# Altium PCB SVEC.pcbdoc (part 1 of 18) (continued)
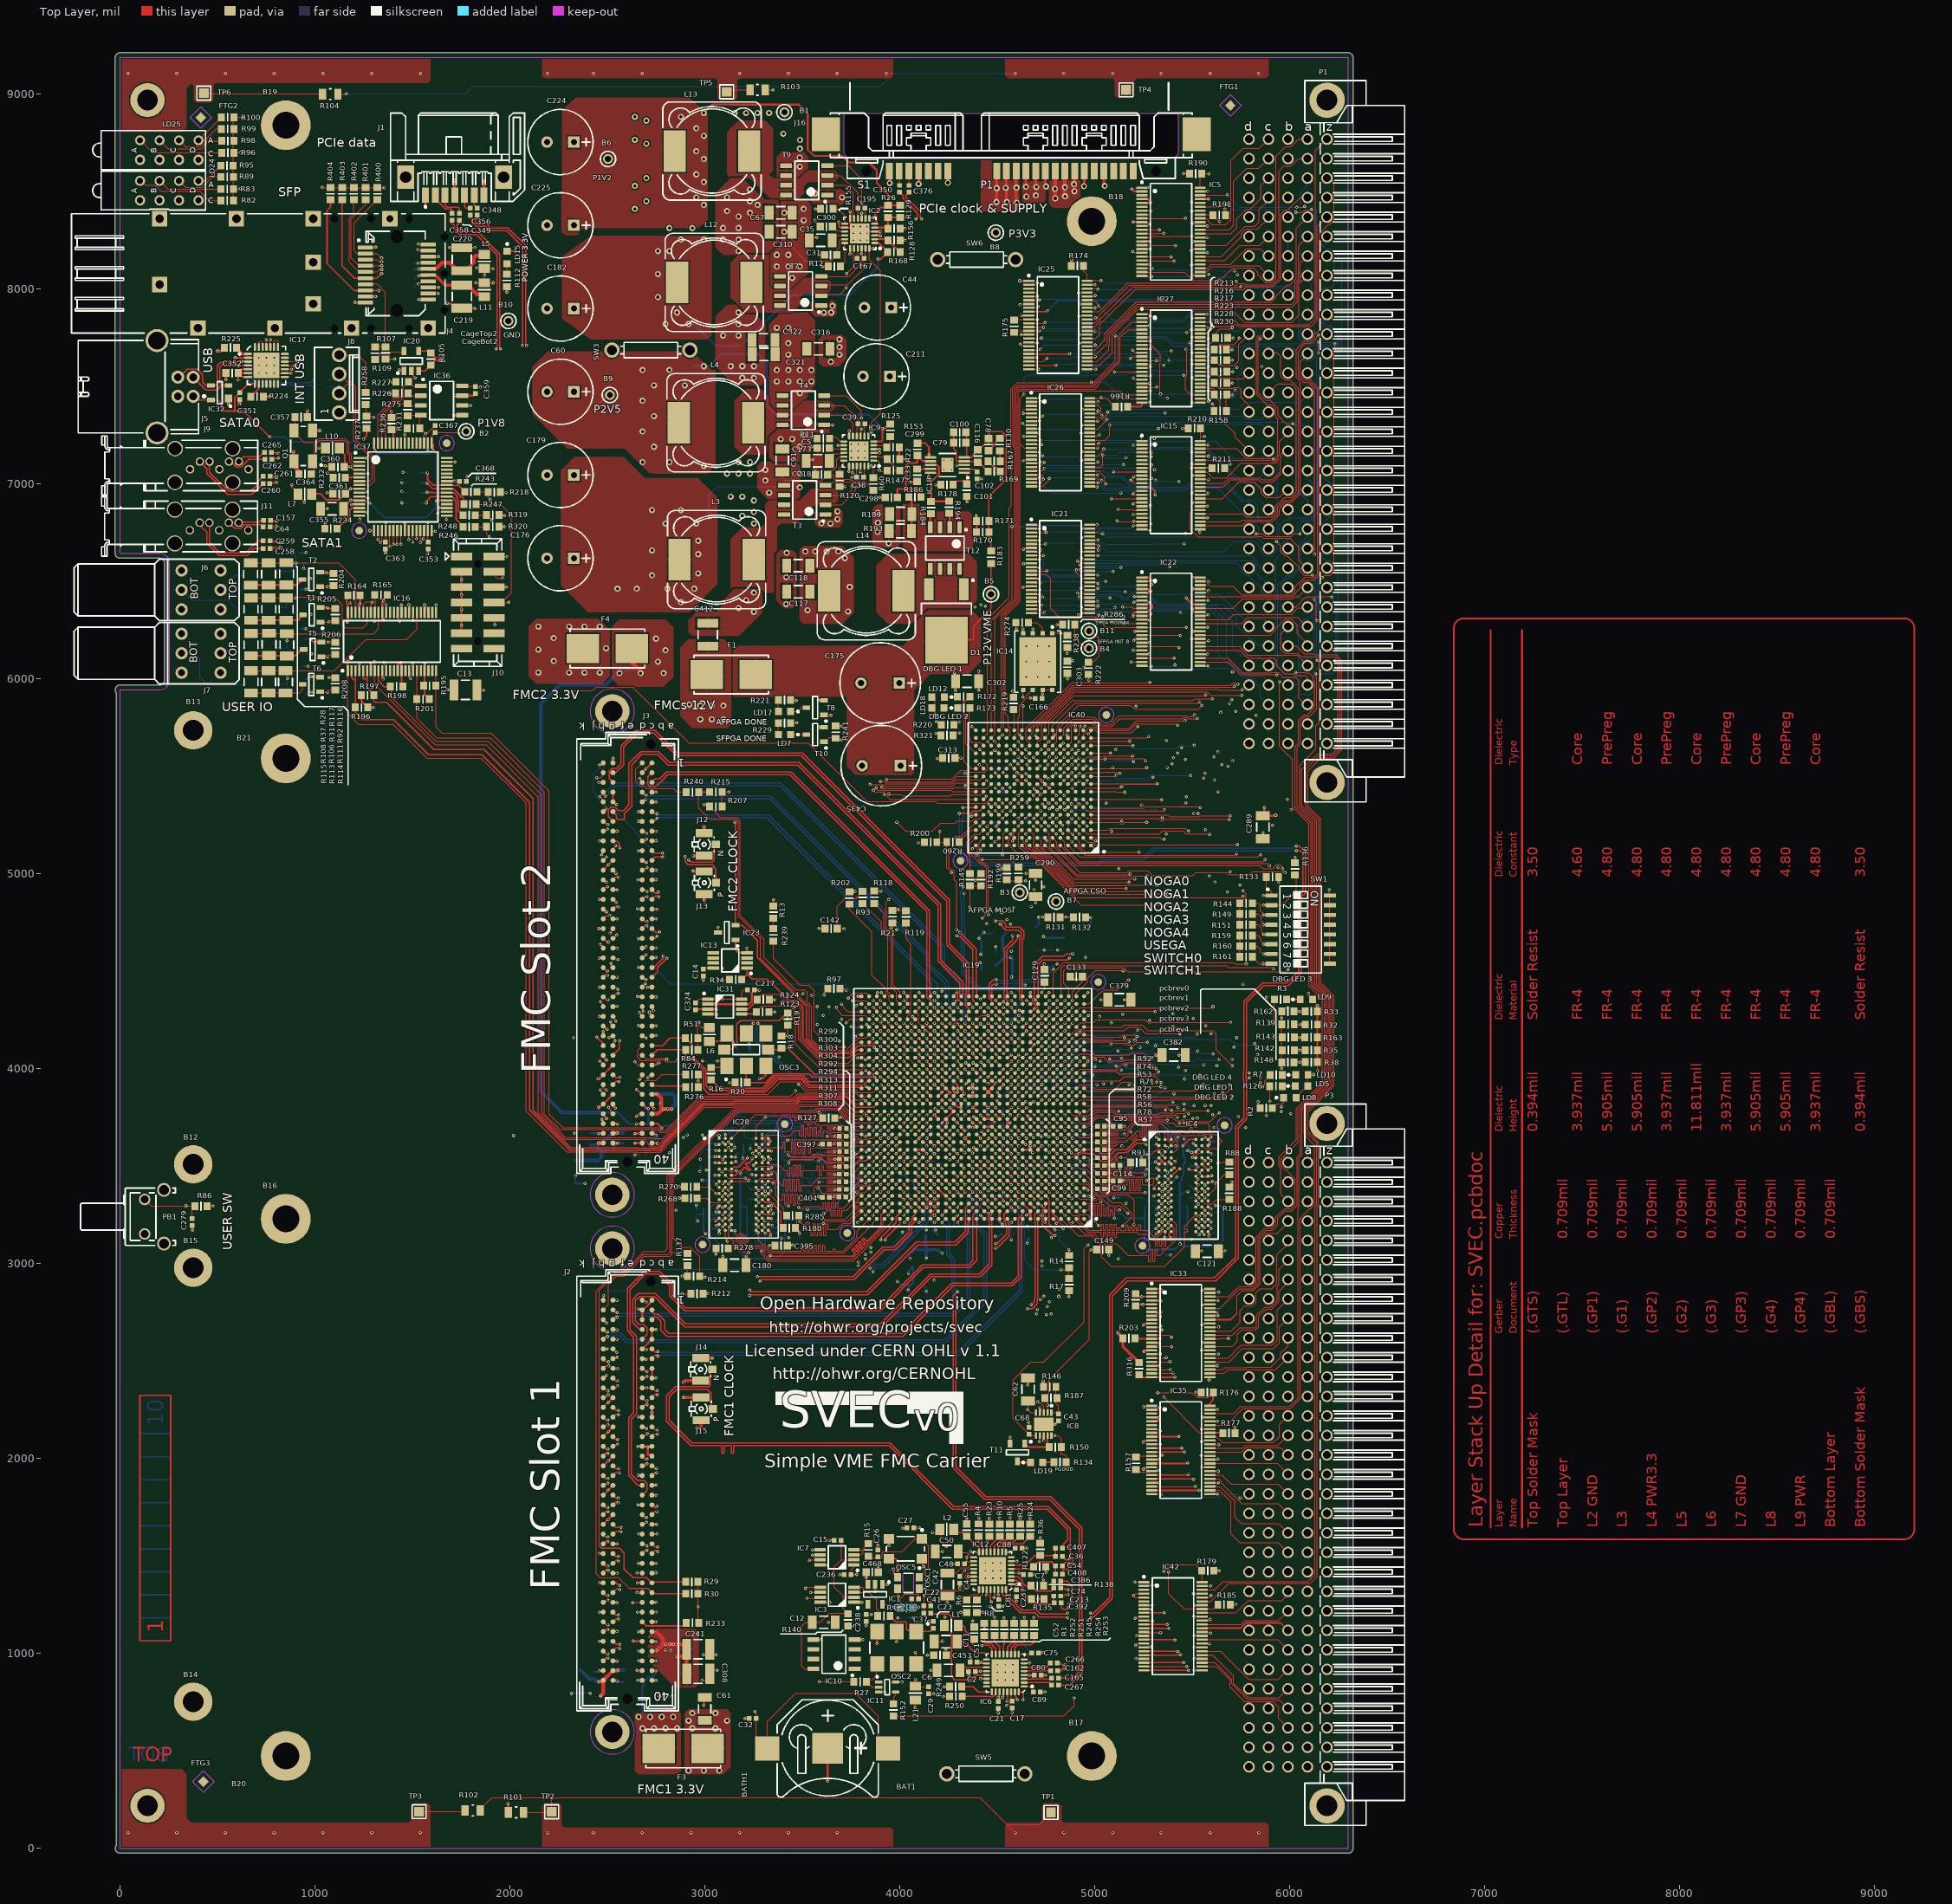
[diagram p0: Top Layer view]
## Classes and differential pairs (continued)
net class FMC1_LA_N[33..0]: FMC1_LA_N0 FMC1_LA_N1 FMC1_LA_N2 FMC1_LA_N3 FMC1_LA_N4 FMC1_LA_N5 FMC1_LA_N6 FMC1_LA_N7 FMC1_LA_N8 FMC1_LA_N9 FMC1_LA_N10 FMC1_LA_N11 FMC1_LA_N12 FMC1_LA_N13 FMC1_LA_N14 FMC1_LA_N15 FMC1_LA_N16 FMC1_LA_N17 FMC1_LA_N18 FMC1_LA_N19 FMC1_LA_N20 FMC1_LA_N21 FMC1_LA_N22 FMC1_LA_N23 FMC1_LA_N24 FMC1_LA_N25 FMC1_LA_N26 FMC1_LA_N27 FMC1_LA_N28 FMC1_LA_N29 FMC1_LA_N30 FMC1_LA_N31 FMC1_LA_N32 FMC1_LA_N33
net class FMC1_LA_P[33..0]: FMC1_LA_P0 FMC1_LA_P1 FMC1_LA_P2 FMC1_LA_P3 FMC1_LA_P4 FMC1_LA_P5 FMC1_LA_P6 FMC1_LA_P7 FMC1_LA_P8 FMC1_LA_P9 FMC1_LA_P10 FMC1_LA_P11 FMC1_LA_P12 FMC1_LA_P13 FMC1_LA_P14 FMC1_LA_P15 FMC1_LA_P16 FMC1_LA_P17 FMC1_LA_P18 FMC1_LA_P19 FMC1_LA_P20 FMC1_LA_P21 FMC1_LA_P22 FMC1_LA_P23 FMC1_LA_P24 FMC1_LA_P25 FMC1_LA_P26 FMC1_LA_P27 FMC1_LA_P28 FMC1_LA_P29 FMC1_LA_P30 FMC1_LA_P31 FMC1_LA_P32 FMC1_LA_P33
net class FMC2_LA_N[33..0]: FMC2_LA_N0 FMC2_LA_N1 FMC2_LA_N2 FMC2_LA_N3 FMC2_LA_N4 FMC2_LA_N5 FMC2_LA_N6 FMC2_LA_N7 FMC2_LA_N8 FMC2_LA_N9 FMC2_LA_N10 FMC2_LA_N11 FMC2_LA_N12 FMC2_LA_N13 FMC2_LA_N14 FMC2_LA_N15 FMC2_LA_N16 FMC2_LA_N17 FMC2_LA_N18 FMC2_LA_N19 FMC2_LA_N20 FMC2_LA_N21 FMC2_LA_N22 FMC2_LA_N23 FMC2_LA_N24 FMC2_LA_N25 FMC2_LA_N26 FMC2_LA_N27 FMC2_LA_N28 FMC2_LA_N29 FMC2_LA_N30 FMC2_LA_N31 FMC2_LA_N32 FMC2_LA_N33
net class FMC2_LA_P[33..0]: FMC2_LA_P0 FMC2_LA_P1 FMC2_LA_P2 FMC2_LA_P3 FMC2_LA_P4 FMC2_LA_P5 FMC2_LA_P6 FMC2_LA_P7 FMC2_LA_P8 FMC2_LA_P9 FMC2_LA_P10 FMC2_LA_P11 FMC2_LA_P12 FMC2_LA_P13 FMC2_LA_P14 FMC2_LA_P15 FMC2_LA_P16 FMC2_LA_P17 FMC2_LA_P18 FMC2_LA_P19 FMC2_LA_P20 FMC2_LA_P21 FMC2_LA_P22 FMC2_LA_P23 FMC2_LA_P24 FMC2_LA_P25 FMC2_LA_P26 FMC2_LA_P27 FMC2_LA_P28 FMC2_LA_P29 FMC2_LA_P30 FMC2_LA_P31 FMC2_LA_P32 FMC2_LA_P33
net class DDR_2_A[14..0]: DDR_2_A0 DDR_2_A1 DDR_2_A2 DDR_2_A3 DDR_2_A4 DDR_2_A5 DDR_2_A6 DDR_2_A7 DDR_2_A8 DDR_2_A9 DDR_2_A10 DDR_2_A11 DDR_2_A12 DDR_2_A13 DDR_2_A14
net class DDR_2_BA[2..0]: DDR_2_BA0 DDR_2_BA1 DDR_2_BA2
net class DDR_2_DQ[15..0]: DDR_2_DQ0 DDR_2_DQ1 DDR_2_DQ2 DDR_2_DQ3 DDR_2_DQ4 DDR_2_DQ5 DDR_2_DQ6 DDR_2_DQ7 DDR_2_DQ8 DDR_2_DQ9 DDR_2_DQ10 DDR_2_DQ11 DDR_2_DQ12 DDR_2_DQ13 DDR_2_DQ14 DDR_2_DQ15
net class FP_GPIO[4..1]: FP_GPIO1 FP_GPIO2 FP_GPIO3 FP_GPIO4
net class FP_LEDN[7..0]: FP_LEDN0 FP_LEDN1 FP_LEDN2 FP_LEDN3 FP_LEDN4 FP_LEDN5 FP_LEDN6 FP_LEDN7
net class RSVD[7..0]: RSVD0 RSVD1 RSVD2 RSVD3 RSVD4 RSVD5 RSVD6 RSVD7
net class USB_D[7..0]: USB_D0 USB_D1 USB_D2 USB_D3 USB_D4 USB_D5 USB_D6 USB_D7
net class TERM_EN[4..1]: TERM_EN1 TERM_EN2 TERM_EN3 TERM_EN4
net class DDR_D2: DDR_2_A0 DDR_2_A1 DDR_2_A2 DDR_2_A3 DDR_2_A4 DDR_2_A5 DDR_2_A6 DDR_2_A7 DDR_2_A8 DDR_2_A9 DDR_2_A10 DDR_2_A11 DDR_2_A12 DDR_2_A13 DDR_2_A14 DDR_2_BA0 DDR_2_BA1 DDR_2_BA2 DDR_2_CAS_N DDR_2_CK_N DDR_2_CK_P DDR_2_DQ0 DDR_2_DQ1 DDR_2_DQ2 DDR_2_DQ3 DDR_2_DQ4 DDR_2_DQ5 DDR_2_DQ6 DDR_2_DQ7 DDR_2_DQ8 DDR_2_DQ9 DDR_2_DQ10 DDR_2_DQ11 DDR_2_DQ12 DDR_2_DQ13 DDR_2_DQ14 DDR_2_DQ15 DDR_2_LDM DDR_2_LDQS_N DDR_2_LDQS_P DDR_2_RAS_N DDR_2_UDM DDR_2_UDQS_N DDR_2_UDQS_P DDR_2_WE_N
net class DDR_D: DDR_A0 DDR_A1 DDR_A2 DDR_A3 DDR_A4 DDR_A5 DDR_A6 DDR_A7 DDR_A8 DDR_A9 DDR_A10 DDR_A11 DDR_A12 DDR_A13 DDR_A14 DDR_BA0 DDR_BA1 DDR_BA2 DDR_CAS_N DDR_CK_N DDR_CK_P DDR_DQ0 DDR_DQ1 DDR_DQ2 DDR_DQ3 DDR_DQ4 DDR_DQ5 DDR_DQ6 DDR_DQ7 DDR_DQ8 DDR_DQ9 DDR_DQ10 DDR_DQ11 DDR_DQ12 DDR_DQ13 DDR_DQ14 DDR_DQ15 DDR_LDM DDR_LDQS_N DDR_LDQS_P DDR_RAS_N DDR_UDM DDR_UDQS_N DDR_UDQS_P DDR_WE_N
differential pair PCIE_TX1: +PCIE_TX1_P -PCIE_TX1_N
differential pair PCIE_RX1: +PCIE_RX1_P -PCIE_RX1_N
differential pair PCIE_MASTER_CLK: +PCIE_MASTER_CLK_P -PCIE_MASTER_CLK_N
differential pair GTP_CK1: +GTP_CK1_P -GTP_CK1_N
differential pair GTP_CK0: +GTP_CK0_P -GTP_CK0_N
differential pair FPGA_PLL_REF_CLK1: +FPGA_PLL_REF_CLK1_P -FPGA_PLL_REF_CLK1_N
differential pair FPGA_PLL_REF_CLK0: +FPGA_PLL_REF_CLK0_P -FPGA_PLL_REF_CLK0_N
differential pair SI57X_CLK: +SI57X_CLK_P -SI57X_CLK_N
differential pair FMC2_GBTCLK0M2C: +FMC2_GBTCLK0M2C_P -FMC2_GBTCLK0M2C_N
differential pair FMC2_DP0M2C: +FMC2_DP0M2C_P -FMC2_DP0M2C_N
differential pair FMC2_DP0C2M: +FMC2_DP0C2M_P -FMC2_DP0C2M_N
differential pair FMC2_CLK1M2C: +FMC2_CLK1M2C_P -FMC2_CLK1M2C_N
differential pair FMC2_CLK0M2C: +FMC2_CLK0M2C_P -FMC2_CLK0M2C_N
differential pair FMC1_GBTCLK0M2C: +FMC1_GBTCLK0M2C_P -FMC1_GBTCLK0M2C_N
differential pair FMC1_DP0M2C: +FMC1_DP0M2C_P -FMC1_DP0M2C_N
differential pair FMC1_DP0C2M: +FMC1_DP0C2M_P -FMC1_DP0C2M_N
differential pair FMC1_CLK1M2C: +FMC1_CLK1M2C_P -FMC1_CLK1M2C_N
differential pair FMC1_CLK0M2C: +FMC1_CLK0M2C_P -FMC1_CLK0M2C_N
differential pair P2_PLLFMC2_CLK: +P2_PLLFMC2_CLK_P -P2_PLLFMC2_CLK_N
differential pair P2_PLLFMC1_CLK: +P2_PLLFMC1_CLK_P -P2_PLLFMC1_CLK_N
differential pair FMC1_LA0: +FMC1_LA_P0 -FMC1_LA_N0
differential pair FMC1_LA1: +FMC1_LA_P1 -FMC1_LA_N1
differential pair FMC1_LA2: +FMC1_LA_P2 -FMC1_LA_N2
differential pair FMC1_LA3: +FMC1_LA_P3 -FMC1_LA_N3
differential pair FMC1_LA4: +FMC1_LA_P4 -FMC1_LA_N4
differential pair FMC1_LA5: +FMC1_LA_P5 -FMC1_LA_N5
differential pair FMC1_LA6: +FMC1_LA_P6 -FMC1_LA_N6
differential pair FMC1_LA7: +FMC1_LA_P7 -FMC1_LA_N7
differential pair FMC1_LA8: +FMC1_LA_P8 -FMC1_LA_N8
differential pair FMC1_LA9: +FMC1_LA_P9 -FMC1_LA_N9
differential pair FMC1_LA10: +FMC1_LA_P10 -FMC1_LA_N10
differential pair FMC1_LA11: +FMC1_LA_P11 -FMC1_LA_N11
differential pair FMC1_LA12: +FMC1_LA_P12 -FMC1_LA_N12
differential pair FMC1_LA13: +FMC1_LA_P13 -FMC1_LA_N13
differential pair FMC1_LA14: +FMC1_LA_P14 -FMC1_LA_N14
differential pair FMC1_LA15: +FMC1_LA_P15 -FMC1_LA_N15
differential pair FMC1_LA16: +FMC1_LA_P16 -FMC1_LA_N16
differential pair FMC1_LA17: +FMC1_LA_P17 -FMC1_LA_N17
differential pair FMC1_LA18: +FMC1_LA_P18 -FMC1_LA_N18
differential pair FMC1_LA19: +FMC1_LA_P19 -FMC1_LA_N19
differential pair FMC1_LA20: +FMC1_LA_P20 -FMC1_LA_N20
differential pair FMC1_LA21: +FMC1_LA_P21 -FMC1_LA_N21
differential pair FMC1_LA22: +FMC1_LA_P22 -FMC1_LA_N22
differential pair FMC1_LA23: +FMC1_LA_P23 -FMC1_LA_N23
differential pair FMC1_LA24: +FMC1_LA_P24 -FMC1_LA_N24
differential pair FMC1_LA25: +FMC1_LA_P25 -FMC1_LA_N25
differential pair FMC1_LA26: +FMC1_LA_P26 -FMC1_LA_N26
differential pair FMC1_LA27: +FMC1_LA_P27 -FMC1_LA_N27
differential pair FMC1_LA28: +FMC1_LA_P28 -FMC1_LA_N28
differential pair FMC1_LA29: +FMC1_LA_P29 -FMC1_LA_N29
differential pair FMC1_LA30: +FMC1_LA_P30 -FMC1_LA_N30
differential pair FMC1_LA31: +FMC1_LA_P31 -FMC1_LA_N31
differential pair FMC1_LA32: +FMC1_LA_P32 -FMC1_LA_N32
differential pair FMC1_LA33: +FMC1_LA_P33 -FMC1_LA_N33
differential pair FMC2_LA0: +FMC2_LA_P0 -FMC2_LA_N0
differential pair FMC2_LA1: +FMC2_LA_P1 -FMC2_LA_N1
differential pair FMC2_LA2: +FMC2_LA_P2 -FMC2_LA_N2
differential pair FMC2_LA3: +FMC2_LA_P3 -FMC2_LA_N3
differential pair FMC2_LA4: +FMC2_LA_P4 -FMC2_LA_N4
differential pair FMC2_LA5: +FMC2_LA_P5 -FMC2_LA_N5
differential pair FMC2_LA6: +FMC2_LA_P6 -FMC2_LA_N6
differential pair FMC2_LA7: +FMC2_LA_P7 -FMC2_LA_N7
differential pair FMC2_LA8: +FMC2_LA_P8 -FMC2_LA_N8
differential pair FMC2_LA9: +FMC2_LA_P9 -FMC2_LA_N9
differential pair FMC2_LA10: +FMC2_LA_P10 -FMC2_LA_N10
differential pair FMC2_LA11: +FMC2_LA_P11 -FMC2_LA_N11
differential pair FMC2_LA12: +FMC2_LA_P12 -FMC2_LA_N12
differential pair FMC2_LA13: +FMC2_LA_P13 -FMC2_LA_N13
differential pair FMC2_LA14: +FMC2_LA_P14 -FMC2_LA_N14
differential pair FMC2_LA15: +FMC2_LA_P15 -FMC2_LA_N15
differential pair FMC2_LA16: +FMC2_LA_P16 -FMC2_LA_N16
differential pair FMC2_LA17: +FMC2_LA_P17 -FMC2_LA_N17
differential pair FMC2_LA18: +FMC2_LA_P18 -FMC2_LA_N18
differential pair FMC2_LA19: +FMC2_LA_P19 -FMC2_LA_N19
differential pair FMC2_LA20: +FMC2_LA_P20 -FMC2_LA_N20
differential pair FMC2_LA21: +FMC2_LA_P21 -FMC2_LA_N21
differential pair FMC2_LA22: +FMC2_LA_P22 -FMC2_LA_N22
differential pair FMC2_LA23: +FMC2_LA_P23 -FMC2_LA_N23
differential pair FMC2_LA24: +FMC2_LA_P24 -FMC2_LA_N24
differential pair FMC2_LA25: +FMC2_LA_P25 -FMC2_LA_N25
differential pair FMC2_LA26: +FMC2_LA_P26 -FMC2_LA_N26
differential pair FMC2_LA27: +FMC2_LA_P27 -FMC2_LA_N27
differential pair FMC2_LA28: +FMC2_LA_P28 -FMC2_LA_N28
differential pair FMC2_LA29: +FMC2_LA_P29 -FMC2_LA_N29
differential pair P2_DATA0: +P2_DATA_P0 -P2_DATA_N0
differential pair P2_DATA1: +P2_DATA_P1 -P2_DATA_N1
differential pair P2_DATA2: +P2_DATA_P2 -P2_DATA_N2
differential pair P2_DATA3: +P2_DATA_P3 -P2_DATA_N3
differential pair P2_DATA4: +P2_DATA_P4 -P2_DATA_N4
differential pair P2_DATA5: +P2_DATA_P5 -P2_DATA_N5
differential pair P2_DATA6: +P2_DATA_P6 -P2_DATA_N6
differential pair P2_DATA7: +P2_DATA_P7 -P2_DATA_N7
differential pair P2_DATA8: +P2_DATA_P8 -P2_DATA_N8
differential pair P2_DATA9: +P2_DATA_P9 -P2_DATA_N9
differential pair P2_DATA10: +P2_DATA_P10 -P2_DATA_N10
differential pair P2_DATA11: +P2_DATA_P11 -P2_DATA_N11
differential pair P2_DATA12: +P2_DATA_P12 -P2_DATA_N12
differential pair P2_DATA13: +P2_DATA_P13 -P2_DATA_N13
differential pair P2_DATA14: +P2_DATA_P14 -P2_DATA_N14
differential pair P2_DATA15: +P2_DATA_P15 -P2_DATA_N15
differential pair P2_DATA16: +P2_DATA_P16 -P2_DATA_N16
differential pair P2_DATA17: +P2_DATA_P17 -P2_DATA_N17
differential pair P2_DATA18: +P2_DATA_P18 -P2_DATA_N18
differential pair P2_DATA19: +P2_DATA_P19 -P2_DATA_N19
differential pair C_SATA0_RX: +C_SATA0_RX_P -C_SATA0_RX_N
differential pair C_SATA0_TX: +C_SATA0_TX_P -C_SATA0_TX_N
differential pair C_SATA1_RX: +C_SATA1_RX_P -C_SATA1_RX_N
differential pair C_SATA1_TX: +C_SATA1_TX_P -C_SATA1_TX_N
differential pair DDR_2_CK: +DDR_2_CK_P -DDR_2_CK_N
differential pair DDR_2_LDQS: +DDR_2_LDQS_P -DDR_2_LDQS_N
differential pair DDR_2_UDQS: +DDR_2_UDQS_P -DDR_2_UDQS_N
differential pair DDR_CK: +DDR_CK_P -DDR_CK_N
differential pair DDR_LDQS: +DDR_LDQS_P -DDR_LDQS_N
differential pair DDR_UDQS: +DDR_UDQS_P -DDR_UDQS_N
differential pair FPGA_CLK: +FPGA_CLK_P -FPGA_CLK_N
differential pair PLL_2AFPGA: +PLL_2AFPGA_P -PLL_2AFPGA_N
differential pair PLL_2SFPGA: +PLL_2SFPGA_P -PLL_2SFPGA_N
differential pair PLL_FMC1_2P2: +PLL_FMC1_2P2_P -PLL_FMC1_2P2_N
differential pair PLL_FMC2_2P2: +PLL_FMC2_2P2_P -PLL_FMC2_2P2_N
differential pair SATA0_RX: +SATA0_RX_P -SATA0_RX_N
differential pair SATA0_TX: +SATA0_TX_P -SATA0_TX_N
differential pair SATA1_RX: +SATA1_RX_P -SATA1_RX_N
differential pair SATA1_TX: +SATA1_TX_P -SATA1_TX_N
differential pair SFP_CLK: +SFP_CLK_P -SFP_CLK_N
differential pair SFPRX_123: +SFPRX_123_P -SFPRX_123_N
differential pair SFPTX_123: +SFPTX_123_P -SFPTX_123_N
differential pair USB_D: +USB_D_P -USB_D_N
differential pair FMC2_LA30: +FMC2_LA_P30 -FMC2_LA_N30
differential pair FMC2_LA31: +FMC2_LA_P31 -FMC2_LA_N31
differential pair FMC2_LA32: +FMC2_LA_P32 -FMC2_LA_N32
differential pair FMC2_LA33: +FMC2_LA_P33 -FMC2_LA_N33
differential pair FMC1_E_CLK: +FMC1_E_CLK_P -FMC1_E_CLK_N
differential pair FMC2_E_CLK: +FMC2_E_CLK_P -FMC2_E_CLK_N

## Components (designator, comment, footprint, x,y, rotation, side; value= is the part's Value field where it differs from the comment)
B1 "Plated Hole" c130h80 3407.69,8906.64 r180 top
B2 "Plated Hole" c130h80 1775.55,7269.51 r0 top
B3 "Plated Hole" c130h80 4614.55,4903.51 r0 top
B4 "Plated Hole" c130h80 4969.55,6156.51 r270 top
B5 "Plated Hole" c130h80 4466.55,6433.51 r0 top
B6 "Plated Hole" c130h80 2502.36,8666.73 r180 top
B7 "Plated Hole" c130h80 4800.55,4857.51 r0 top
B8 "Plated Hole" c130h80 4491.66,8288.7 r0 top
B9 "Plated Hole" c130h80 2512.21,7456.1 r180 top
B10 "Plated Hole" c130h80 1991.66,7835.94 r270 top
B11 "Plated Hole" c130h80 4970.55,6245.51 r270 top
B12 "Plated Hole" MTG270_500 375.2,3509.05 r0 top locked
B13 "Plated Hole" MTG270_500 375.2,5735.43 r0 top locked
B14 "Plated Hole" MTG270_500 375.2,752.75 r0 top locked
B15 "Plated Hole" MTG270_500 375.2,2979.13 r0 top locked
B16 "Plated Hole" MTG350_650 849.93,3229.64 r0 top
B17 "Plated Hole" MTG350_650 4983.79,473.73 r0 top
B18 "Plated Hole" MTG350_650 4983.79,8347.75 r0 top
B19 "Plated Hole" MTG350_650 849.93,8839.88 r0 top
B20 "Plated Hole" MTG350_650 849.93,473.73 r0 top
B21 "Plated Hole" MTG350_650 849.93,5591.84 r0 top
BAT1 "3V" BAT_VARTA_CR1220 3630.69,514.51 r0 top
BATH1 "Value" BATH_KEYSTONE_3000 3629.69,512.64 r180 top
C1 "100nF" CAPC1005X55N 4168.69,3651.64 r270 bottom
C2 "100nF" CAPC1005X55N 4369.55,907.51 r0 top
C3 "100nF" CAPC1005X55N 3940,1400 r270 bottom
C4 "100nF" CAPC1005X55N 4307.55,1378.51 r90 top
C5 "1uF" CAPC1608X87N 3606.55,7183.51 r0 top
C6 "22uF" CAPC3216X180N 4248.55,913.51 r0 top
C7 "100nF" CAPC1005X55N 4651.55,1404.51 r180 top
C8 "100nF" CAPC1005X55N 4175.55,3820.51 r180 bottom
C9 "100nF" CAPC1005X55N 4638.69,4279.64 r270 bottom
C10 "100nF" CAPC1005X55N 4442,1259 r90 bottom
C11 "22uF" CAPC3216X180N 4234.69,1060.64 r0 top
C12 "22uF" CAPC3216X180N 3609.55,1160 r180 top
C13 "10uF" CAPC3225X270N 1771.55,5943.51 r180 top
C14 "100nF" CAPC1005X55N 2990.55,4492.51 r90 top
C15 "100nF" CAPC1005X55N 3680,1581 r0 top
C16 "1uF" CAPC1608X87N 3197.55,4097.51 r180 bottom
C17 "100nF" CAPC1005X55N 4574.55,737.51 r90 top
C18 "100nF" CAPC1005X55N 4291.69,3188.64 r0 bottom
C19 "100nF" CAPC1005X55N 4028.55,1183 r180 bottom
C20 "100nF" CAPC1005X55N 3986.69,3452.64 r180 bottom
C21 "100nF" CAPC1005X55N 4503.55,735.51 r90 top
C22 "100nF" CAPC1005X55N 4077.55,1279.51 r0 top
C23 "100nF" CAPC1005X55N 4171.55,1146 r270 top
C24 "100nF" CAPC1005X55N 4180.69,3701.64 r0 bottom
C25 "100nF" CAPC1005X55N 4253.69,3900.64 r180 bottom
C26 "100nF" CAPC1005X55N 3886,1513 r270 top
C27 "100nF" CAPC1005X55N 4054,1644 r0 top
C28 "100nF" CAPC1005X55N 4866.69,3227.64 r90 bottom
C29 "100nF" CAPC1005X55N 4146.55,811 r90 top
C30 "100nF" CAPC1005X55N 3934.69,4220.64 r180 bottom
C31 "1uF" CAPC1608X87N 3644.1,8174.61 r0 top
C32 "100nF" CAPC1005X55N 3243.63,666.65 r0 top
C33 "1uF" CAPC1608X87N 4088.55,7044.51 r90 top
C34 "100nF" CAPC1005X55N 3192.55,4159.51 r180 bottom
C35 "22uF" CAPC3216X180N 3593.55,8249.51 r0 top
C36 "100nF" CAPC1005X55N 4814.55,1498.51 r180 top
C37 "100nF" CAPC1005X55N 4141,1207 r0 top
C38 "100nF" CAPC1005X55N 3796.55,7034.51 r180 top
C39 "100nF" CAPC1005X55N 3801.58,7308.47 r180 top
C40 "100nF" CAPC1005X55N 3025.55,4039.51 r0 bottom
C41 "100nF" CAPC1005X55N 4140.55,1244 r0 top
C42 "22uF" CAPC3216X180N 4243.55,1353.51 r90 top
C43 "100nF" CAPC1005X55N 4813.55,2211.51 r90 top
C44 "150uF" CAPPR350-850X700 3886.55,7904.51 r180 top
C45 "22uF" CAPC3216X180N 2820.03,8633.84 r0 bottom
C46 "22uF" CAPC3216X180N 3109.89,8621.14 r180 bottom
C47 "22uF" CAPC3216X180N 3109.89,8531.14 r180 bottom
C48 "100nF" CAPC1005X55N 4313.55,1460 r0 top
C49 "22uF" CAPC3216X180N 2820.03,8724.84 r0 bottom
C50 "22uF" CAPC3216X180N 4240.55,1523 r0 top
C51 "100nF" CAPC1005X55N 4377.55,955.51 r0 top
C52 "1uF" CAPC1608X87N 4380.55,1104.51 r270 top
C53 "100nF" CAPC1005X55N 4569.55,3248.51 r270 bottom
C54 "100nF" CAPC1005X55N 4814.55,1449.51 r180 top
C55 "1uF" CAPC1608X87N 4342.55,1632.51 r270 top
C56 "22uF" CAPC3216X180N 2737.55,780.51 r180 bottom
C57 "100nF" CAPC1005X55N 4201.55,3312.51 r90 bottom
C58 "100nF" CAPC1005X55N 4469.69,3349.64 r180 bottom
C59 "100nF" CAPC1005X55N 4102.55,3249.51 r270 bottom
C60 "150uF" CAPPR350-850X700 2258.55,7472.51 r180 top locked
C61 "22uF" CAPC3216X180N 2998.55,715.51 r270 top
C62 "22uF" CAPC3216X180N 4657.55,2354.51 r270 top
C63 "22uF" CAPC3216X180N 2807.48,3587.99 r90 bottom
C64 "100nF" CAPC1005X55N 752.55,6778.51 r180 top
C65 "1uF" CAPC1608X87N 2685.55,936.51 r90 bottom
C66 "22uF" CAPC3216X180N 3031.15,8164.1 r180 bottom
C67 "22uF" CAPC3216X180N 3388.19,8391.14 r0 top
C68 "100nF" CAPC1005X55N 4661.55,2142.51 r270 top
C69 "1uF" CAPC1608X87N 2669.69,3647.05 r270 bottom
C70 "1uF" CAPC1608X87N 2689.55,1063.51 r180 bottom
C71 "22uF" CAPC3216X180N 3349.69,8727.64 r0 bottom
C72 "22uF" CAPC3216X180N 3053.84,7531.6 r180 bottom
C73 "1uF" CAPC1608X87N 2679.55,3791.51 r90 bottom
C74 "100nF" CAPC1005X55N 4807.55,1335.51 r180 top
C75 "100nF" CAPC1005X55N 4692.55,1001.51 r180 top
C76 "1uF" CAPC1608X87N 2704.55,4018.51 r180 bottom
C77 "22uF" CAPC3216X180N 3053.84,7260.6 r180 bottom
C78 "5.6nF" CAPC1608X87N 4454.55,7201.51 r270 top
C79 "27pF" CAPC1608X87N 4306.55,7211.51 r180 top
C80 "100nF" CAPC1005X55N 4706.55,889.51 r0 top
C81 "100nF" CAPC1005X55N 4507.55,1259 r90 top
C82 "22uF" CAPC3216X180N 2362.55,855.51 r90 bottom
C83 "22uF" CAPC3216X180N 2335.04,3469.88 r90 bottom
C84 "1uF" CAPC1608X87N 2413.78,3637.21 r270 bottom
C85 "1uF" CAPC1608X87N 2487.55,886.51 r270 bottom
C86 "1uF" CAPC1608X87N 2581.55,884.51 r90 bottom
C87 "1uF" CAPC1608X87N 2581.11,3647.05 r90 bottom
C88 "100nF" CAPC1005X55N 4608.55,1539.51 r0 top
C89 "100nF" CAPC1005X55N 4702.55,802.51 r180 top
C90 "22uF" CAPC3216X180N 3036.15,7872.1 r180 bottom
C91 "22uF" CAPC3216X180N 3396.55,7120.51 r270 top
C92 "100nF" CAPC1005X55N 4465.69,4351.64 r270 bottom
C93 "22uF" CAPC3216X180N 3031.15,8073.1 r180 bottom
C94 "100nF" CAPC1005X55N 4970.69,3263.64 r90 bottom
C95 "100nF" CAPC1005X55N 5110.55,3703.51 r180 top
C96 "100nF" CAPC1005X55N 5140.55,3231.51 r0 bottom
C97 "100nF" CAPC1005X55N 5419.55,3418.51 r0 bottom
C98 "100nF" CAPC1005X55N 5454.55,3123.51 r180 bottom
C99 "100nF" CAPC1005X55N 5110.55,3423.51 r180 top
C100 "27pF" CAPC1608X87N 4306.55,7264.51 r180 top
C101 "100pF" CAPC1608X87N 4342.55,6967.51 r90 top
C102 "100nF" CAPC1005X55N 4396.55,7044.51 r90 top
C103 "100nF" CAPC1005X55N 5589.55,3368.51 r270 bottom
C104 "100nF" CAPC1005X55N 5289.55,3498.51 r270 bottom
C105 "100nF" CAPC1005X55N 5287.55,3145.51 r90 bottom
C106 "100nF" CAPC1005X55N 5290.55,3584.51 r270 bottom
C107 "100nF" CAPC1005X55N 5563.55,3597.51 r270 bottom
C108 "100nF" CAPC1005X55N 5569.55,3673.51 r180 bottom
C109 "100nF" CAPC1005X55N 5337.55,3627.51 r90 bottom
C110 "1uF" CAPC1608X87N 5626.55,3594.51 r270 bottom
C111 "1uF" CAPC1608X87N 5198.55,3600.51 r0 bottom
C112 "100nF" CAPC1005X55N 5110.55,3663.51 r180 bottom
C113 "100nF" CAPC1005X55N 5635.55,3123.51 r0 bottom
C114 "100nF" CAPC1005X55N 5110.55,3503.51 r180 top
C115 "100nF" CAPC1005X55N 5435.55,3579.51 r0 bottom
C116 "100pF" CAPC1608X87N 4399.55,7142.51 r270 top
C117 "22uF" CAPC3216X180N 3478.55,6446.51 r0 top
C118 "22uF" CAPC3216X180N 3478.55,6580.51 r0 top
C119 "22uF" CAPC3216X180N 3078.52,6539.97 r180 bottom
C120 "1uF" CAPC1608X87N 4769.55,4639.51 r270 bottom
C121 "22uF" CAPC3216X180N 5574.55,3063.51 r0 top
C122 "1uF" CAPC1608X87N 4842.55,4639.51 r270 bottom
C123 "100nF" CAPC1005X55N 4372.55,3624.51 r0 bottom
C124 "100nF" CAPC1005X55N 4749.55,3261.51 r90 bottom
C125 "100nF" CAPC1005X55N 5551.55,1297.51 r180 bottom
C126 "100nF" CAPC1005X55N 4692.69,4393.64 r270 bottom
C127 "100nF" CAPC1005X55N 5547.55,1003.51 r270 bottom
C128 "22uF" CAPC3216X180N 3053.84,7441.6 r180 bottom
C129 "1uF" CAPC1608X87N 4741.55,4476.51 r270 top
C130 "1uF" CAPC1608X87N 5054.55,3953.51 r180 bottom
C131 "1uF" CAPC1608X87N 3791.55,3872.51 r270 bottom
C132 "100nF" CAPC1005X55N 5593.55,1847.51 r90 bottom
C133 "1uF" CAPC1608X87N 4904.55,4472.51 r0 top
C134 "1uF" CAPC1608X87N 4489.55,3723.51 r0 bottom
C135 "22uF" CAPC3216X180N 3078.52,6812.97 r180 bottom
C136 "22uF" CAPC3216X180N 3078.52,6448.97 r180 bottom
C137 "22uF" CAPC3216X180N 3078.52,6630.97 r180 bottom
C138 "22uF" CAPC3216X180N 3078.52,6721.97 r180 bottom
C139 "22uF" CAPC3216X180N 3053.84,7350.6 r180 bottom
C140 "1uF" CAPC1608X87N 4090.55,2891.51 r180 bottom
C141 "1uF" CAPC1608X87N 4926.69,3227.64 r90 bottom
C142 "1uF" CAPC1608X87N 3646.55,4718.51 r0 top
C143 "1uF" CAPC1608X87N 3671.69,4283.64 r0 bottom
C144 "1uF" CAPC1608X87N 4993.55,4116.51 r180 bottom
C145 "1uF" CAPC1608X87N 4990.55,4236.51 r180 bottom
C146 "1uF" CAPC1608X87N 4529.55,3827.51 r90 bottom
C147 "1uF" CAPC1608X87N 4313.55,3801.51 r180 bottom
C148 "22uF" CAPC3216X180N 3053.84,7170.6 r180 bottom
C149 "1uF" CAPC1608X87N 5039.55,3071.51 r180 top
C150 "100nF" CAPC1005X55N 4592.69,4360.64 r90 bottom
C151 "100nF" CAPC1005X55N 3978.69,3267.64 r0 bottom
C152 "100nF" CAPC1005X55N 5294.55,3423.51 r270 bottom
C153 "100nF" CAPC1005X55N 5589.55,2546.51 r180 bottom
C154 "100nF" CAPC1005X55N 4673.55,6466.51 r0 bottom
C155 "100nF" CAPC1005X55N 4662.55,3145.51 r90 bottom
C156 "100nF" CAPC1005X55N 4292.69,3933.64 r0 bottom
C157 "100nF" CAPC1005X55N 753.55,6813.51 r180 top
C158 "100nF" CAPC1005X55N 4612.69,3739.64 r0 bottom
C159 "100nF" CAPC1005X55N 4252.69,3747.64 r180 bottom
C160 "100nF" CAPC1005X55N 4411.69,3786.64 r0 bottom
C161 "100nF" CAPC1005X55N 3806.69,3367.64 r270 bottom
C162 "100nF" CAPC1005X55N 4791.55,911.51 r0 top
C163 "22uF" CAPC3216X180N 3031.15,7983.1 r180 bottom
C164 "100nF" CAPC1005X55N 5540.55,7548.51 r0 bottom
C165 "100nF" CAPC1005X55N 4794.55,874.51 r0 top
C166 "100nF" CAPC1005X55N 4711.55,5900.51 r180 top
C167 "100nF" CAPC1005X55N 3798.92,8155.88 r180 top
C168 "100nF" CAPC1005X55N 4055.69,3467.64 r0 bottom
C169 "22uF" CAPC3216X180N 2821.03,8814.84 r0 bottom
C170 "100nF" CAPC1005X55N 4373.69,3943.64 r0 bottom
C171 "100nF" CAPC1005X55N 3835.55,4179.51 r270 bottom
C172 "100nF" CAPC1005X55N 4916.69,4232.64 r90 bottom
C173 "22uF" CAPC3216X180N 3578.55,7118.51 r0 top
C174 "100nF" CAPC1005X55N 4175.55,3861.51 r0 bottom
C175 "150uF" CAPPR500-1050X800 3898.55,5978.51 r180 top
C176 "150uF" CAPPR350-850X700 2258.55,6618.51 r180 top locked
C177 "100nF" CAPC1005X55N 4432.55,3841.51 r270 bottom
C178 "100nF" CAPC1005X55N 4891.69,3309.64 r0 bottom
C179 "150uF" CAPPR350-850X700 2258.55,7045.51 r180 top
C180 "22uF" CAPC3216X180N 3150.55,2991.51 r0 top
C181 "22uF" CAPC3216X180N 3109.89,8712.14 r180 bottom
C182 "150uF" CAPPR350-850X700 2258.55,7899.51 r180 top
C183 "22uF" CAPC3216X180N 2820.03,8543.84 r0 bottom
C184 "100nF" CAPC1005X55N 5540.55,6513.51 r0 bottom
C185 "100nF" CAPC1005X55N 5241.55,6392.51 r0 bottom
C186 "100nF" CAPC1005X55N 1588.55,6344.51 r180 bottom
C187 "100nF" CAPC1005X55N 4571.69,4097.64 r0 bottom
C188 "100nF" CAPC1005X55N 4333.69,3537.64 r180 bottom
C189 "100nF" CAPC1005X55N 4649.69,3565.64 r270 bottom
C190 "100nF" CAPC1005X55N 4072.69,3371.64 r270 bottom
C191 "100nF" CAPC1005X55N 4689.69,4100.64 r0 bottom
C192 "100nF" CAPC1005X55N 4490.55,3901.51 r0 bottom
C193 "100nF" CAPC1005X55N 4392.55,3841.51 r90 bottom
C194 "100nF" CAPC1005X55N 4766.69,3546.64 r180 bottom
C195 "100nF" CAPC1005X55N 3801.92,8413.88 r180 top
C196 "100nF" CAPC1005X55N 4193.69,3522.64 r0 bottom
C197 "100nF" CAPC1005X55N 4714.69,3564.64 r270 bottom
C198 "100nF" CAPC1005X55N 4666.69,3856.64 r0 bottom
C199 "100nF" CAPC1005X55N 3829.69,4266.64 r90 bottom
C200 "1uF" CAPC1608X87N 4033.55,1234.51 r180 top
C201 "100nF" CAPC1005X55N 4334.18,3706.02 r0 bottom
C202 "100nF" CAPC1005X55N 1433.55,6340.51 r270 bottom
C203 "100nF" CAPC1005X55N 4411.55,3899.51 r180 bottom
C204 "100nF" CAPC1005X55N 4911.69,3406.64 r90 bottom
C205 "100nF" CAPC1005X55N 4371.69,4054.64 r180 bottom
C206 "100nF" CAPC1005X55N 4734.69,3624.64 r0 bottom
C207 "100nF" CAPC1005X55N 4722.55,5499.51 r180 bottom
C208 "100nF" CAPC1005X55N 4704.55,5361.51 r270 bottom
C209 "22uF" CAPC3216X180N 2820.03,8452.84 r0 bottom
C210 "22uF" CAPC3216X180N 3109.89,8440.14 r180 bottom
C211 "150uF" CAPPR350-850X700 3879.55,7551.51 r180 top
C212 "22uF" CAPC3216X180N 3110.89,8808.14 r180 bottom
C213 "100nF" CAPC1005X55N 4807.55,1294.51 r180 top
C214 "100nF" CAPC1005X55N 1502.55,8114.51 r90 bottom
C215 "100nF" CAPC1005X55N 4482.69,4006.64 r0 bottom
C216 "100nF" CAPC1005X55N 4670.55,5521.51 r90 bottom
C217 "100nF" CAPC1005X55N 3235.55,4403.51 r180 top
C218 "1uF" CAPC1608X87N 3597.55,7047.51 r0 top
C219 "10uF" CAPC3225X270N 1753.55,7960.51 r270 top
C220 "10uF" CAPC3225X270N 1752.55,8152.51 r90 top
C221 "100nF" CAPC1005X55N 4084.69,4270.64 r270 bottom
C222 "100nF" CAPC1005X55N 4377.49,3666.65 r0 bottom
C223 "100nF" CAPC1005X55N 4334.55,3897.51 r0 bottom
C224 "150uF" CAPPR350-850X700 2258.55,8753.51 r180 top
C225 "150uF" CAPPR350-850X700 2258.55,8326.51 r180 top
C226 "100nF" CAPC1005X55N 4973.55,6722.51 r0 bottom
C227 "100nF" CAPC1005X55N 4676.55,6662.51 r180 bottom
C228 "100nF" CAPC1005X55N 1508.55,8028.51 r270 bottom
C229 "100nF" CAPC1005X55N 4468.69,3840.64 r270 bottom
C230 "100nF" CAPC1005X55N 3811.69,3632.64 r0 bottom
C231 "100nF" CAPC1005X55N 4623.55,5520.51 r270 bottom
C232 "100nF" CAPC1005X55N 4463.55,5267.51 r180 bottom
C233 "100nF" CAPC1005X55N 4826.55,5735.51 r0 bottom
C234 "100nF" CAPC1005X55N 4663.55,5324.51 r90 bottom
C235 "100nF" CAPC1005X55N 5574.55,3303.51 r180 bottom
C236 "100nF" CAPC1005X55N 3731.55,1404 r180 top
C237 "100nF" CAPC1005X55N 4598.55,1308 r90 top
C238 "100nF" CAPC1005X55N 3827.55,1183 r270 top
C239 "100nF" CAPC1005X55N 2705.55,855.51 r180 bottom
C240 "100nF" CAPC1005X55N 5536.55,6334.51 r180 bottom
C241 "10uF" CAPC3225X270N 2965.55,1021.51 r0 top
C242 "100nF" CAPC1005X55N 3391.55,3297.51 r180 bottom
C243 "100nF" CAPC1005X55N 3979.55,3694.51 r0 bottom
C244 "100nF" CAPC1005X55N 5587.55,2004.51 r180 bottom
C245 "100nF" CAPC1005X55N 5590.55,2231.51 r90 bottom
C246 "100nF" CAPC1005X55N 5289.55,2084.51 r0 bottom
C247 "100nF" CAPC1005X55N 5291.55,2683.51 r180 bottom
C248 "100nF" CAPC1005X55N 5290.55,2543.51 r180 bottom
C249 "100nF" CAPC1005X55N 5584.55,2449.51 r90 bottom
C250 "100nF" CAPC1005X55N 5290.55,1944.51 r0 bottom
C251 "100nF" CAPC1005X55N 5249.55,1042.51 r0 bottom
C252 "100nF" CAPC1005X55N 5251.55,1178.51 r0 bottom
C253 "100nF" CAPC1005X55N 5290.55,2262.51 r0 bottom
C254 "100nF" CAPC1005X55N 5589.55,2685.51 r0 bottom
C255 "100nF" CAPC1005X55N 2679.53,3558.47 r0 bottom
C256 "100nF" CAPC1005X55N 2700.55,1014.51 r0 bottom
C257 "100nF" CAPC1005X55N 5248.55,1357.51 r180 bottom
C258 "100nF" CAPC1005X55N 752.55,6667.51 r180 top
C259 "100nF" CAPC1005X55N 752.55,6707.51 r180 top
C260 "100nF" CAPC1005X55N 750.55,7002.51 r180 top
C261 "100nF" CAPC1005X55N 751.55,7039.51 r180 top
C262 "100nF" CAPC1005X55N 759.55,7125.51 r180 top
C263 "100nF" CAPC1005X55N 2699.55,3871.51 r0 bottom
C264 "100nF" CAPC1005X55N 5591.55,2861.51 r180 bottom
C265 "100nF" CAPC1005X55N 758.55,7162.51 r180 top
C266 "100nF" CAPC1005X55N 4789.55,950.51 r0 top
C267 "100nF" CAPC1005X55N 4795.55,838.51 r0 top
C268 "22uF" CAPC3216X180N 4149.69,3011.64 r90 bottom
C269 "22uF" CAPC3216X180N 4576.55,4576.51 r270 bottom
C270 "1uF" CAPC1608X87N 4162.55,3142.51 r180 bottom
C271 "1uF" CAPC1608X87N 4492.55,4564.51 r270 bottom
C272 "1uF" CAPC1608X87N 4553.55,3154.51 r0 bottom
C273 "1uF" CAPC1608X87N 4052.55,4420.51 r0 bottom
C274 "100nF" CAPC1005X55N 4232.55,3312.51 r270 bottom
C275 "100nF" CAPC1005X55N 4267.55,4369.51 r270 bottom
C276 "100nF" CAPC1005X55N 4434.69,3226.64 r0 bottom
C277 "100nF" CAPC1005X55N 4486.55,3249.51 r90 bottom
C278 "100nF" CAPC1005X55N 4213.69,4357.64 r270 bottom
C279 "100nF" CAPC1005X55N 370.55,3212.51 r90 top
C280 "100nF" CAPC1005X55N 2512.21,3578.15 r180 bottom
C281 "100nF" CAPC1005X55N 4308.69,3328.64 r270 bottom
C282 "100nF" CAPC1005X55N 4390.69,4354.64 r270 bottom
C283 "100nF" CAPC1005X55N 4271.69,3250.64 r90 bottom
C284 "100nF" CAPC1005X55N 4555.69,4259.64 r180 bottom
C285 "100nF" CAPC1005X55N 4302.55,4272.51 r90 bottom
C286 "100nF" CAPC1005X55N 4121.69,4356.64 r90 bottom
C287 "100nF" CAPC1005X55N 5292.55,2778.51 r90 bottom
C288 "100nF" CAPC1005X55N 4412.69,4254.64 r180 bottom
C289 "22uF" CAPC3216X180N 5861.55,5238.51 r270 top
C290 "22uF" CAPC3216X180N 4695.55,4942.51 r90 top
C291 "100nF" CAPC1005X55N 2431.55,887.51 r270 bottom
C292 "100nF" CAPC1005X55N 5536.55,6194.51 r0 bottom
C293 "100nF" CAPC1005X55N 5543.55,6098.51 r270 bottom
C294 "100nF" CAPC1005X55N 4970.55,7114.51 r180 bottom
C295 "100nF" CAPC1005X55N 5240.55,8197.51 r180 bottom
C296 "100nF" CAPC1005X55N 5541.55,8077.51 r0 bottom
C297 "100nF" CAPC1005X55N 1493.55,6040.51 r90 bottom
C298 "100pF" CAPC1608X87N 3955.55,6930.51 r0 top
C299 "100pF" CAPC1608X87N 4089.55,7177.51 r270 top
C300 "1uF" CAPC1608X87N 3622.55,8319.51 r0 top
C301 "10uF" CAPC3225X270N 2847.55,3767.51 r270 bottom
C302 "22uF" CAPC3216X180N 4344.55,5987.51 r0 top
C303 "1uF" CAPC1608X87N 4858.55,6059.51 r90 top
C304 "1uF" CAPC1608X87N 4990.55,5588.51 r90 bottom
C305 "1uF" CAPC1608X87N 4519.55,5473.51 r0 bottom
C306 "100nF" CAPC1005X55N 1357.55,6342.51 r270 bottom
C307 "100nF" CAPC1005X55N 1355.55,6040.51 r270 bottom
C308 "10uF" CAPC3225X270N 2965.69,895.64 r0 top
C309 "22uF" CAPC3216X180N 3349.69,8637.64 r0 bottom
C310 "22uF" CAPC3216X180N 3388.19,8292.72 r0 top
C311 "1uF" CAPC1608X87N 4306.55,5484.51 r270 bottom
C312 "1uF" CAPC1608X87N 4501.55,5551.51 r180 bottom
C313 "1uF" CAPC1608X87N 4250.55,5593.51 r0 top
C314 "100nF" CAPC1005X55N 1257.55,6045.51 r180 bottom
C315 "100nF" CAPC1005X55N 1472.55,7566.51 r180 bottom
C316 "22uF" CAPC3216X180N 3581.55,7692.51 r180 top
C317 "100nF" CAPC1005X55N 4900.55,5381.51 r180 bottom
C318 "100nF" CAPC1005X55N 5534.55,8197.51 r0 bottom
C319 "100nF" CAPC1005X55N 5541.55,6952.51 r0 bottom
C320 "100nF" CAPC1005X55N 1188.55,6368.51 r180 bottom
C321 "22uF" CAPC3216X180N 3301.55,7664.51 r0 top
C322 "22uF" CAPC3216X180N 3300.55,7738.51 r0 top
C323 "100nF" CAPC1005X55N 4705.55,5181.51 r180 bottom
C324 "100nF" CAPC1005X55N 2950.55,4320.51 r270 top
C325 "100nF" CAPC1005X55N 4744.55,5400.51 r270 bottom
C326 "100nF" CAPC1005X55N 5539.55,7152.51 r180 bottom
C327 "100nF" CAPC1005X55N 5242.55,8423.51 r270 bottom
C328 "100nF" CAPC1005X55N 5237.55,8334.51 r180 bottom
C329 "100nF" CAPC1005X55N 4961.55,7970.51 r0 bottom
C330 "100nF" CAPC1005X55N 4507.55,5202.51 r270 bottom
C331 "100nF" CAPC1005X55N 4655.55,8032.51 r0 bottom
C332 "100nF" CAPC1005X55N 5537.55,8331.51 r0 bottom
C333 "100nF" CAPC1005X55N 4510.55,5653.51 r90 bottom
C334 "100nF" CAPC1005X55N 4644.55,5420.51 r180 bottom
C335 "100nF" CAPC1005X55N 5533.55,8483.51 r90 bottom
C336 "100nF" CAPC1005X55N 5232.55,8512.51 r180 bottom
C337 "100nF" CAPC1005X55N 5537.55,7798.51 r180 bottom
C338 "100nF" CAPC1005X55N 4674.55,7115.51 r180 bottom
C339 "100nF" CAPC1005X55N 4526.55,5402.51 r270 bottom
C340 "100nF" CAPC1005X55N 4861.55,5223.51 r270 bottom
C341 "100nF" CAPC1005X55N 4685.55,5460.51 r180 bottom
C342 "100nF" CAPC1005X55N 4757.55,5533.51 r0 bottom
C343 "100nF" CAPC1005X55N 4429.55,5577.51 r90 bottom
C344 "100nF" CAPC1005X55N 4786.55,5462.51 r180 bottom
C345 "100nF" CAPC1005X55N 4723.55,5611.51 r0 bottom
C346 "100nF" CAPC1005X55N 4840.55,5298.51 r180 bottom
C347 "100nF" CAPC1005X55N 3994.69,4316.64 r270 bottom
C348 "100nF" CAPC1005X55N 1830.69,8397.64 r270 top
C349 "100nF" CAPC1005X55N 1739.69,8370.64 r270 top
C350 "100nF" CAPC1005X55N 3997.69,8513.64 r270 top
C351 "100nF" CAPC1005X55N 613.69,7449.64 r270 top
C352 "1uF" CAPC1608X87N 574.69,7568.64 r180 top
C353 "100nF" CAPC1005X55N 1579.55,6684.51 r270 top
C354 "100nF" CAPC1005X55N 1568.55,7209.51 r90 bottom
C355 "22uF" CAPC3216X180N 1087.55,6872.51 r0 top
C356 "100nF" CAPC1005X55N 1795.69,8397.64 r270 top
C357 "27pF" CAPC1608X87N 928.69,7342.64 r180 top
C358 "100nF" CAPC1005X55N 1702.69,8370.64 r270 top
C359 "100nF" CAPC1005X55N 1822.55,7480.51 r270 top
C360 "1uF" CAPC1608X87N 1117.69,7086.64 r0 top
C361 "1uF" CAPC1608X87N 1123.69,6948.64 r0 top
C362 "100nF" CAPC1005X55N 1222.55,6926.51 r0 bottom
C363 "100nF" CAPC1005X55N 1361.55,6684.51 r270 top
C364 "27pF" CAPC1608X87N 948.69,7050.64 r0 top
C365 "100nF" CAPC1005X55N 1226.55,7063.51 r0 bottom
C366 "100nF" CAPC1005X55N 1224.55,6964.51 r0 bottom
C367 "100nF" CAPC1005X55N 1616.99,7280.51 r90 top
C368 "100nF" CAPC1005X55N 1758.69,7013.64 r0 top
C369 "100nF" CAPC1005X55N 4254.55,4037.51 r90 bottom
C370 "100nF" CAPC1005X55N 4646.69,4138.64 r180 bottom
C371 "100nF" CAPC1005X55N 4070.55,4069.51 r90 bottom
C372 "100nF" CAPC1005X55N 4462.69,4076.64 r90 bottom
C373 "100nF" CAPC1005X55N 2502.55,5567.51 r180 bottom
C374 "22uF" CAPC3216X180N 4694.55,4663.51 r270 bottom
C375 "22uF" CAPC3216X180N 3516.55,4272.51 r0 bottom
C376 "100nF" CAPC1005X55N 4046.69,8513.64 r270 top
C377 "22uF" CAPC3216X180N 4949.55,4664.51 r270 bottom